# Altium PCB CubeSat Backplane.PcbDoc (part 1 of 4) (continued)
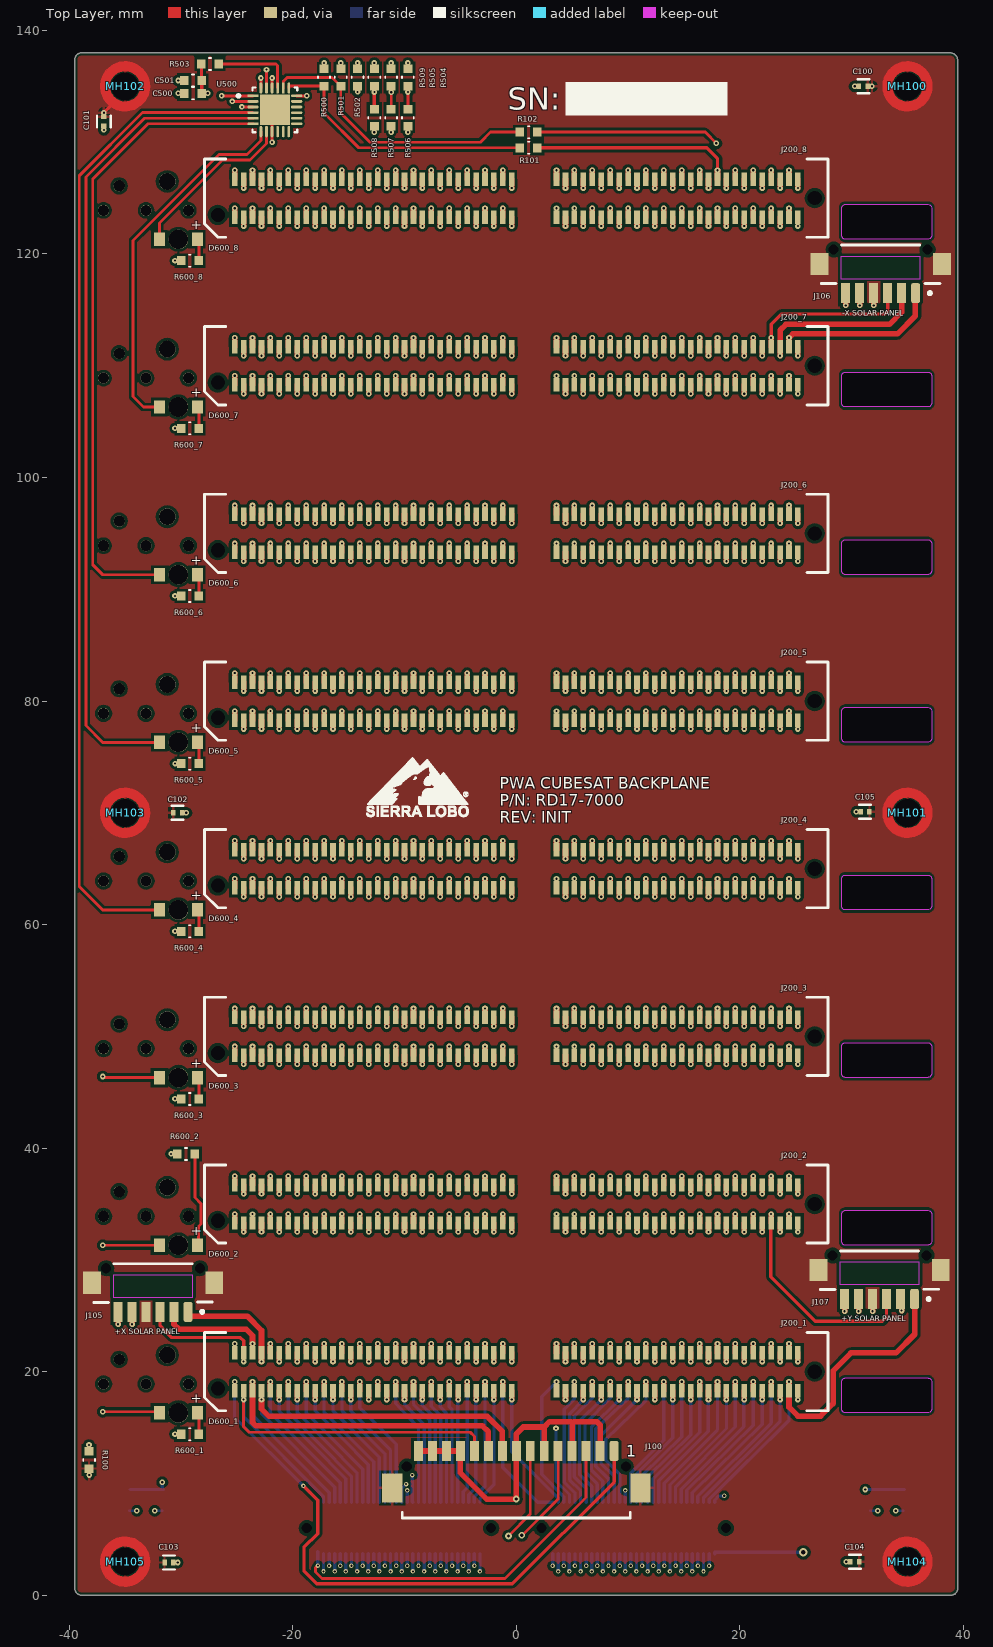
[diagram p0: Top Layer view]
## Part data (continued)
R101 R102 R503 R504 R505 R509: library part RES1, "RES SMD 0 OHM JUMPER 1/10W 0603", Case Code (Imperial)=0603, Case Code (Metric)=1608, Manufacturer 1=Yageo, Manufacturer Part Number 1=RC0603JR-070RL, Max Operating Temperature=155°C, Min Operating Temperature=-55°C, Package Quantity=5000, Power Rating=100mW, Supplier Part Number 1=311-0.0GRCT-ND, Temperature Coefficient=200ppm/°C, Tolerance=1%, Voltage Rating=50V, Case/Package=0603, ComponentLink1Description=https://datasheet.ciiva.com/11808/pyu-r-int-6-11808700.pdf?src-supplier=RSComponents, ComponentLink1URL=https://datasheet.ciiva.com/11808/pyu-r-int-6-11808700.pdf?src-supplier=RSComponents, ComponentLink2Description=https://datasheet.ciiva.com/7746/1738695-7746421.pdf?src-supplier=Element14, ComponentLink2URL=https://datasheet.ciiva.com/7746/1738695-7746421.pdf?src-supplier=Element14, ComponentLink3Description=https://datasheet.ciiva.com/8883/pyu-rc0603-51-rohs-l-4-8883045.pdf?src-supplier=Avnet, ComponentLink3URL=https://datasheet.ciiva.com/8883/pyu-rc0603-51-rohs-l-4-8883045.pdf?src-supplier=Avnet, ComponentLink4Description=https://datasheet.ciiva.com/15189/getdatasheetpartid-329462-15189845.pdf?src-supplier=Verical, ComponentLink4URL=https://datasheet.ciiva.com/15189/getdatasheetpartid-329462-15189845.pdf?src-supplier=Verical, ComponentLink5Description=https://datasheet.ciiva.com/7746/1738695-7746422.pdf?src-supplier=Element14, ComponentLink5URL=https://datasheet.ciiva.com/7746/1738695-7746422.pdf?src-supplier=Element14, ComponentLink6Description=https://datasheet.ciiva.com/12555/rc0603-272842-12555254.pdf?src-supplier=Mouser, ComponentLink6URL=https://datasheet.ciiva.com/12555/rc0603-272842-12555254.pdf?src-supplier=Mouser, ComponentLink7Description=https://datasheet.ciiva.com/22747/443971-22747530.pdf?src-supplier=Element14, ComponentLink7URL=https://datasheet.ciiva.com/22747/443971-22747530.pdf?src-supplier=Element14, Composition="Thick Film", Contact Plating=Tin,Matte, Depth=0.8mm, Height=0.45mm, Lead Free="Lead Free", Length=1.6mm, Military Standard=Not, Number of Pins=2, Packaging="Tape and Reel", Pricing 1="1=0.10000, 10=0.01800, 25=0.01320, 50=0.01000, 100=0.00730, 250=0.00560, 500=0.00448, 1000=0.00329 (USD)", Radiation Hardening=No, REACH SVHC="No SVHC", RoHS=Yes, Stock 1=37679871, Supplier 1=Digi-Key, Termination=SMD/SMT, Voltage Rating (DC)=50V, Width=0.8mm
R500 R501 R502: library part RES1, "RNCP0603FTD10K0", Mfr. P/N=RMCF0603FT4K70, Resistance=4.7k
R506 R507 R508: library part RES1, Mfr. P/N=RNCP0603FTD10K0, Resistance=10k
R600_1 R600_2 R600_3 R600_4 R600_5 R600_6 R600_7 R600_8: library part RES1, "RES SMD 150 OHM 5% 1/10W 0603", Case/Package=0603, Case Code (Metric)=1608, Manufacturer 1=Yageo, Manufacturer Part Number 1=RC0603JR-07150RL, Max Operating Temperature=155°C, Min Operating Temperature=-55°C, Power Rating=100mW, Supplier Part Number 1=311-150GRCT-ND, Temperature Coefficient=100ppm/°C, Tolerance=5%, Voltage Rating=50V, Case Code (Imperial)=0603, ComponentLink1Description=https://datasheet.ciiva.com/2454/pyu-r-int-thick-7-2454513.pdf?src-supplier=Digi-Key, ComponentLink1URL=https://datasheet.ciiva.com/2454/pyu-r-int-thick-7-2454513.pdf?src-supplier=Digi-Key, ComponentLink2Description=https://datasheet.ciiva.com/2454/pyu-r-int-thick-7-2454514.pdf?src-supplier=Digi-Key, ComponentLink2URL=https://datasheet.ciiva.com/2454/pyu-r-int-thick-7-2454514.pdf?src-supplier=Digi-Key, ComponentLink3Description=https://datasheet.ciiva.com/2454/pyu-r-int-thick-7-2454515.pdf?src-supplier=Digi-Key, ComponentLink3URL=https://datasheet.ciiva.com/2454/pyu-r-int-thick-7-2454515.pdf?src-supplier=Digi-Key, ComponentLink4Description=https://datasheet.ciiva.com/46440/1868787-46440895.pdf?src-supplier=Element14, ComponentLink4URL=https://datasheet.ciiva.com/46440/1868787-46440895.pdf?src-supplier=Element14, ComponentLink5Description=https://datasheet.ciiva.com/7746/443971-7746441.pdf?src-supplier=Element14, ComponentLink5URL=https://datasheet.ciiva.com/7746/443971-7746441.pdf?src-supplier=Element14, ComponentLink6Description=https://datasheet.ciiva.com/7746/443971-7746442.pdf?src-supplier=Element14, ComponentLink6URL=https://datasheet.ciiva.com/7746/443971-7746442.pdf?src-supplier=Element14, ComponentLink7Description=https://datasheet.ciiva.com/46395/443971-46395087.pdf?src-supplier=Element14, ComponentLink7URL=https://datasheet.ciiva.com/46395/443971-46395087.pdf?src-supplier=Element14, Composition="Thick Film", Depth=0.8mm, Lead Free="Lead Free", Length=1.6mm, Military Standard=Not, Number of Pins=2, Packaging="Tape and Reel", Pricing 1="1=0.10000, 10=0.01900, 100=0.00770, 1000=0.00347, 2500=0.00301 (USD)", REACH SVHC="No SVHC", RoHS=Yes, Stock 1=2413445, Supplier 1=Digi-Key, Termination=SMD/SMT, Voltage Rating (DC)=50V, Width=0.8mm
S100 S101: library part Tactile_Switch, "SWITCH TACTILE SPST-NO 0.05A 32V", Case/Package=SMD/SMT, Current Rating=50mA, Manufacturer 1="ITT C&K", Manufacturer Part Number 1=KMT031NGJLHS, Max Operating Temperature=85°C, Max Voltage Rating (DC)=32V, Min Operating Temperature=-40°C, Operating Force=3.4N, Package Quantity=1, Power Rating=500mW, Ratings="IP68,Waterproof,Dust Tight", Supplier Part Number 1=KMT031NGJLHS-CUTT, Actuator Type=Standard, ComponentLink1Description=https://datasheet.ciiva.com/2901/kmt-0xx-ngj-lhs-drawing-2901011.pdf?src-supplier=Digi-Key, ComponentLink1URL=https://datasheet.ciiva.com/2901/kmt-0xx-ngj-lhs-drawing-2901011.pdf?src-supplier=Digi-Key, ComponentLink2Description=https://datasheet.ciiva.com/2901/kmt-0xx-ngj-lhs-drawing-2901012.pdf?src-supplier=Digi-Key, ComponentLink2URL=https://datasheet.ciiva.com/2901/kmt-0xx-ngj-lhs-drawing-2901012.pdf?src-supplier=Digi-Key, ComponentLink3Description=https://datasheet.ciiva.com/2901/kmt-0xx-ngj-lhs-drawing-2901013.pdf?src-supplier=Digi-Key, ComponentLink3URL=https://datasheet.ciiva.com/2901/kmt-0xx-ngj-lhs-drawing-2901013.pdf?src-supplier=Digi-Key, ComponentLink4Description=https://datasheet.ciiva.com/22712/1443640-22712103.pdf?src-supplier=Element14, ComponentLink4URL=https://datasheet.ciiva.com/22712/1443640-22712103.pdf?src-supplier=Element14, ComponentLink5Description=https://datasheet.ciiva.com/18145/getdatasheetpartid-320373-18145244.pdf?src-supplier=Verical, ComponentLink5URL=https://datasheet.ciiva.com/18145/getdatasheetpartid-320373-18145244.pdf?src-supplier=Verical, Contact Material=Silver, Contact Plating=Silver, Depth=3.4mm, Illumination Type=Non-Illuminated, Length=2.6mm, Max Current Rating=50mA, Mechanical Life=300000Cycles, Mount="Surface Mount", Orientation=Straight, Packaging="Tape and Reel", Pricing 1="1=0.29500, 250=0.21500, 750=0.19900, 1500=0.19200, 2500=0.18600 (USD)", Radiation Hardening=No, REACH SVHC="No SVHC", RoHS=Yes, Stock 1=20000, Supplier 1="Future Electronics", Switch Function=Off-Mom, Switch Travel=0.15mm, Termination=J-Lead, Throw Configuration=SPST, Voltage Rating (DC)=32V
U500: "IC LED DRIVER PS DIM 25MA 24WQFN"

## Via types
v1: diameter 0.5, hole 0.2, Top Layer to Bottom Layer, tented both sides, 1022 vias
v2: diameter 0.4, hole 0.2, Top Layer to Bottom Layer, tented both sides, 65 vias
v3: diameter 0.6, hole 0.3, Top Layer to Bottom Layer, tented both sides, 3 vias
v4: diameter 0.762, hole 0.406, Top Layer to Bottom Layer, tented both sides, 1 vias

## Nets (pads, with @x,y where several pads share a name; then routed paths per layer and width w, separated by ;. In a path a pad name is that pad's centre, name@x,y a point inside that pad or via, vN(x,y) a via of type N, cw(c..) or ccw(c..) an arc to the next point about the centre after c; other vN are vias at no path point)
5V_USB: C500.1 C501.1 J200_1.70 J200_2.70 J200_3.70 J200_4.70 J200_5.70 J200_6.70 J200_7.70 J200_8.70 J301.10 R500.2 R501.2 R502.2 R503.2 R504.1 R505.1 R509.1 R600_1.2 R600_2.2 R600_3.2 R600_4.2 R600_5.2 R600_6.2 R600_7.2 R600_8.2 | length 145.2
  Top Layer w0.254: v1(-30.883,39.486) -30.878,39.48 -30.355,39.48 R600_2.2@-30.35,39.475 ; v1(-30.533,89.41) -30.528,89.405 -30.006,89.405 R600_6.2@-30,89.399 ; v1(-30.533,104.41) -30.528,104.405 -30.006,104.405 R600_7.2@-30,104.399 ; v1(-30.533,119.41) -30.528,119.405 -30.006,119.405 R600_8.2@-30,119.399 ; v1(-30.533,14.411) -30.528,14.405 -30.005,14.405 R600_1.2@-30,14.4 ; v1(-30.533,44.411) -30.528,44.405 -30.005,44.405 R600_3.2@-30,44.4 ; v1(-30.533,59.411) -30.528,59.405 -30.005,59.405 R600_4.2@-30,59.4 ; v1(-30.528,74.405) -30.005,74.405 R600_5.2@-30,74.4
  Top Layer w0.3: R503.2@-28.172,136.998 -28.162,136.989 -28.162,135.534 C501.1@-28.153,135.525 ; C501.1@-28.08,135.598 C501.1@-28.153,135.525 ; v1(-27.6,134.375) C500.1@-28.153,134.375 C501.1@-28.153,135.525
  Top Layer w0.5: J200_1.70@5.2,21.7 v1@5.2,22.5 ; J200_2.70@5.2,36.7 v1(5.2,37.5) ; J200_3.70@5.2,51.7 v1(5.2,52.5) ; J200_4.70@5.2,66.7 v1(5.2,67.5) ; J200_5.70@5.2,81.7 v1(5.2,82.5) ; J200_6.70@5.2,96.699 v1(5.2,97.499) ; J200_7.70@5.2,111.699 v1(5.2,112.499) ; J200_8.70@5.2,126.699 v1(5.2,127.499)
  H2-ODD w0.3: v1@5.2,22.5 5.2,20.275 6,19.475 6,18.5 5.25,17.75 v2(5.25,2.625)
  H2-ODD w0.5: v1@5.2,22.5 5.2,32.875 6,33.675 6,34.475 5.2,35.275 5.2,47.875 6,48.675 6,49.65 5.2,50.45 5.2,62.875 6,63.675 6,64.65 5.2,65.45 5.2,77.875 6,78.675 6,79.65 5.2,80.45 5.2,92.875 6,93.674 6,94.649 5.2,95.449 5.2,107.874 6,108.674 6,109.475 5.2,110.275 5.2,122.874 6,123.674 6,124.649 5.2,125.449 v1(5.2,127.499)
  Bottom Layer w0.3: v2(5.25,2.625) J301.10@5.25,3.7
  other v1: 5.2,22.5 -17.2,137.1 -15.7,137.1 -14.2,137.1 -12.7,137.1 -11.2,137.1 -9.7,137.1
+X_SOLAR_PWR: J105.1 J200_1.8 J200_2.8 J200_3.8 J200_4.8 J200_5.8 J200_6.8 J200_7.8 J200_8.8 J300.8 | length 149.1
  Top Layer w0.5: J105.1@-29.3,25.325 -29.275,25.35 -29.275,24.975 -24.075,24.975 -22.8,23.7 J200_1.8@-22.8,21.7 v1(-22.8,20.9) ; v1(-22.8,35.9) J200_2.8@-22.8,36.7 ; v1@-22.8,50.9 J200_3.8@-22.8,51.7 ; v1(-22.8,65.9) J200_4.8@-22.8,66.7 ; v1(-22.8,80.9) J200_5.8@-22.8,81.7 ; v1(-22.8,95.899) J200_6.8@-22.8,96.699 ; v1(-22.8,110.899) J200_7.8@-22.8,111.699 ; v1(-22.8,125.899) J200_8.8@-22.8,126.699
  H1-EVEN w0.3: v1(-22.8,20.9) -22.8,18.45 -23.6,17.65 -23.6,17.2 -16.25,9.85 v2(-16.25,2.125)
  H1-EVEN w0.5: v1(-22.8,20.9) -22.8,31.5 -23.6,32.3 -23.6,32.875 -22.8,33.675 -22.8,46.5 -23.6,47.3 -23.6,47.875 -22.8,48.675 -22.8,61.5 -23.6,62.3 -23.6,62.875 -22.8,63.675 -22.8,76.5 -23.6,77.3 -23.6,77.875 -22.8,78.675 ; -22.8,78.775 -22.8,91.499 -23.6,92.299 -23.6,92.874 -22.8,93.675 -22.8,106.499 -23.6,107.299 -23.6,107.874 -22.8,108.675 -22.8,121.499 -23.6,122.299 -23.6,122.874 -22.8,123.675 v1(-22.8,125.899)
  Bottom Layer w0.3: v2(-16.25,2.125) J300.8@-16.25,3.7
  other v1: -22.8,50.9
+X_SOLAR_RTN: J105.2 J200_1.6 J200_2.6 J200_3.6 J200_4.6 J200_5.6 J200_6.6 J200_7.6 J200_8.6 J300.6 | length 149
  Top Layer w0.5: J105.2@-30.625,25.35 -30.625,24.225 -30.2,23.8 -24.175,23.8 -23.6,23.225 v1(-23.6,22.5) ; J105.2@-30.55,25.325 J105.2@-30.525,25.35 ; J200_2.6@-23.6,36.7 v1(-23.6,37.5) ; J200_3.6@-23.6,51.7 v1(-23.6,52.5) ; J200_4.6@-23.6,66.7 v1(-23.6,67.5) ; J200_5.6@-23.6,81.7 v1(-23.6,82.5) ; J200_6.6@-23.6,96.699 v1(-23.6,97.499) ; J200_7.6@-23.6,111.699 v1(-23.6,112.499) ; J200_8.6@-23.6,126.699 v1(-23.6,127.499)
  H2-ODD w0.3: v1@-23.6,22.5 -23.6,20.2 -22.8,19.4 -22.8,18.488 -23.6,17.688 -23.6,16.95 -17.825,11.175 -17.825,3.7 v2(-16.75,2.625)
  H2-ODD w0.5: v1(-23.6,22.5) -23.6,32.875 -22.8,33.675 -22.8,34.475 -23.6,35.275 v1(-23.6,37.5) -23.6,47.875 -22.8,48.675 -22.8,49.475 -23.6,50.276 v1(-23.6,52.5) -23.6,62.875 -22.8,63.675 -22.8,64.475 -23.6,65.275 v1(-23.6,67.5) -23.6,77.875 -22.8,78.675 -22.8,79.476 -23.6,80.275 v1(-23.6,82.5) -23.6,92.874 -22.8,93.674 -22.8,94.475 -23.6,95.275 v1(-23.6,97.499) -23.6,107.874 -22.8,108.674 -22.8,109.475 -23.6,110.275 v1(-23.6,112.499) -23.6,122.874 -22.8,123.674 -22.8,124.649 -23.6,125.449 v1(-23.6,127.499)
  Bottom Layer w0.3: v2(-16.75,2.625) J300.6@-16.75,3.7
+X_SOLAR_TLE: J105.3 J200_1.4 J200_2.4 J200_3.4 J200_4.4 J200_5.4 J200_6.4 J200_7.4 J200_8.4 J300.4 | length 149.4
  Top Layer w0.3: J105.3@-31.875,25.35 -31.875,24.1 -30.825,23.05 -24.7,23.05 -24.4,22.75 J200_1.4@-24.4,21.7
  Top Layer w0.5: v1(-24.4,35.9) J200_2.4@-24.4,36.7 ; v1@-24.4,50.9 J200_3.4@-24.4,51.7 ; v1(-24.4,65.9) J200_4.4@-24.4,66.7 ; v1(-24.4,80.9) J200_5.4@-24.4,81.7 ; v1(-24.4,95.899) J200_6.4@-24.4,96.699 ; v1(-24.4,110.899) J200_7.4@-24.4,111.699 ; v1(-24.4,125.899) J200_8.4@-24.4,126.699
  H1-EVEN w0.3: v1(-24.4,20.9) -24.4,18.5 -25.2,17.7 -25.2,17.3 -17.25,9.35 v2(-17.25,2.125)
  H1-EVEN w0.5: v1(-24.4,20.9) -24.4,31.5 -25.2,32.3 -25.2,32.875 -24.4,33.675 v1(-24.4,35.9) -24.4,46.5 -25.2,47.3 -25.2,47.875 -24.4,48.675 v1(-24.4,50.9) -24.4,61.5 -25.2,62.3 -25.2,62.875 -24.4,63.675 v1(-24.4,65.9) -24.4,76.5 -25.2,77.3 -25.2,77.875 -24.4,78.675 v1(-24.4,80.9) ; v1@-24.4,81 -24.4,91.499 -25.2,92.299 -25.2,92.874 -24.4,93.675 v1(-24.4,95.899) -24.4,106.499 -25.2,107.299 -25.2,107.874 -24.4,108.675 v1(-24.4,110.899) -24.4,121.499 -25.2,122.299 -25.2,122.874 -24.4,123.675 v1(-24.4,125.899)
  Bottom Layer w0.3: v2(-17.25,2.125) J300.4@-17.25,3.7
+Y_SOLAR_PWR: J107.1 J200_1.117 J200_2.117 J200_3.117 J200_4.117 J200_5.117 J200_6.117 J200_7.117 J200_8.117 J301.57 | length 150.8
  Top Layer w0.5: v1(24.4,19.1) J200_1.117@24.4,18.3 24.4,16.825 25.2,16.025 27.225,16.025 28.35,17.15 28.35,20.075 29.95,21.675 33.975,21.675 35.65,23.35 J107.1@35.65,26.5 ; J200_2.117@24.4,33.3 v1(24.4,34.1) ; J200_3.117@24.4,48.3 v1@24.4,49.1 ; J200_4.117@24.4,63.3 v1(24.4,64.1) ; J200_5.117@24.4,78.3 v1(24.4,79.1) ; J200_6.117@24.4,93.299 v1(24.4,94.099) ; J200_7.117@24.4,108.299 v1(24.4,109.099) ; J200_8.117@24.4,123.299 v1(24.4,124.099)
  H1-ODD w0.5: v1(24.4,19.1) 24.4,21.3 25.2,22.1 25.2,31.5 24.4,32.3 24.4,36.3 25.2,37.1 25.2,46.5 24.4,47.3 24.4,51.3 25.2,52.1 25.2,61.5 24.4,62.3 24.4,66.3 25.2,67.1 25.2,76.5 24.4,77.3 24.4,81.3 25.2,82.1 25.2,91.499 24.4,92.299 24.4,96.299 25.2,97.099 25.2,106.499 24.4,107.299 24.4,111.299 25.2,112.099 25.2,121.499 24.4,122.299 v1@24.4,124.099
  Bottom Layer w0.3: J301.57@17.25,8.3 17.25,8.604 24.4,15.654 v1(24.4,19.1)
  other v1: 24.4,49.1
+Y_SOLAR_RTN: J107.2 J200_1.115 J200_2.115 J200_3.115 J200_4.115 J200_5.115 J200_6.115 J200_7.115 J200_8.115 J301.55 | length 147.4
  Top Layer w0.5: v1(23.6,17.5) J200_1.115@23.6,18.3 ; v1(23.6,32.5) J200_2.115@23.6,33.3 ; v1(23.6,47.5) J200_3.115@23.6,48.3 ; v1(23.6,62.5) J200_4.115@23.6,63.3 ; v1(23.6,77.5) J200_5.115@23.6,78.3 ; v1(23.6,92.499) J200_6.115@23.6,93.299 ; v1(23.6,107.499) J200_7.115@23.6,108.299 ; v1(23.6,122.499) J200_8.115@23.6,123.299 ; v1(34.475,25.475) J107.2@34.475,26.5
  H2-EVEN w0.5: v1(23.6,122.499) 23.6,112.099 22.8,111.299 22.8,110.275 23.6,109.475 v1(23.6,107.499) 23.6,97.099 22.8,96.299 22.8,95.275 23.6,94.475 v1(23.6,92.499) 23.6,82.1 22.8,81.3 22.8,80.275 23.6,79.475 v1(23.6,77.5) 23.6,67.1 22.8,66.3 22.8,65.275 23.6,64.475 v1(23.6,62.5) 23.6,52.1 22.8,51.3 22.8,50.275 23.6,49.475 v1(23.6,47.5) 23.6,37.1 22.8,36.3 22.8,35.275 23.6,34.475 v1(23.6,32.5) 23.6,22.1 22.8,21.3 22.8,20.275 23.6,19.475 v1(23.6,17.5) 23.6,17.1 24.675,16.025 27.225,16.025 28.35,17.15 28.35,20.075 29.95,21.675 32.25,21.675 34.475,23.9 v1(34.475,25.475)
  Bottom Layer w0.3: J301.55@16.75,8.3 16.75,8.725 23.6,15.575 v1(23.6,17.5)
+Y_SOLAR_TLE: J107.3 J200_1.113 J200_2.113 J200_3.113 J200_4.113 J200_5.113 J200_6.113 J200_7.113 J200_8.113 J301.53 | length 148.2
  Top Layer w0.3: J200_2.113@22.8,33.3 22.775,33.275 22.775,28.475 26.75,24.5 32.75,24.5 33.125,24.875 J107.3@33.125,26.5
  Top Layer w0.5: J200_1.113@22.8,18.3 v1(22.8,19.1) ; J200_2.113@22.8,33.3 v1(22.8,34.1) ; J200_3.113@22.8,48.3 v1(22.8,49.1) ; J200_4.113@22.8,63.3 v1(22.8,64.1) ; J200_5.113@22.8,78.3 v1(22.8,79.1) ; J200_6.113@22.8,93.299 v1(22.8,94.099) ; J200_7.113@22.8,108.299 v1(22.8,109.099) ; J200_8.113@22.8,123.299 v1(22.8,124.099)
  H1-ODD w0.5: v1(22.8,19.1) 22.8,21.3 23.6,22.1 23.6,31.5 22.8,32.3 v1(22.8,34.1) 22.8,36.3 23.6,37.1 23.6,46.5 22.8,47.3 22.8,51.3 23.6,52.1 23.6,61.5 22.8,62.3 v1(22.8,64.1) 22.8,66.3 23.6,67.1 23.6,76.5 22.8,77.3 v1(22.8,79.1) 22.8,81.3 23.6,82.1 23.6,91.499 22.8,92.299 v1(22.8,94.099) 22.8,96.299 23.6,97.099 23.6,106.499 22.8,107.299 v1(22.8,109.099) 22.8,111.299 23.6,112.099 23.6,121.499 22.8,122.299 v1(22.8,124.099)
  Bottom Layer w0.3: J301.53@16.25,8.3 16.25,8.85 22.8,15.4 v1(22.8,19.1)
-X_SOLAR_PWR: J106.1 J200_1.118 J200_2.118 J200_3.118 J200_4.118 J200_5.118 J200_6.118 J200_7.118 J200_8.118 J301.58 | length 154.8
  Top Layer w0.5: J200_1.118@24.4,21.7 v1@24.4,22.5 ; J200_2.118@24.4,36.7 v1(24.4,37.5) ; J200_3.118@24.4,51.7 v1@24.4,52.5 ; J200_4.118@24.4,66.7 v1(24.4,67.5) ; J200_5.118@24.4,81.7 v1(24.4,82.5) ; J200_6.118@24.4,96.699 v1(24.4,97.499) ; J200_7.118@24.4,111.699 v1(24.4,112.499) 24.751,112.85 34.1,112.85 35.7,114.45 35.7,116.475 J106.1@35.725,116.5 ; J200_8.118@24.4,126.699 v1(24.4,127.499)
  H2-ODD w0.3: v2(17.25,2.625) 17.25,6.825 24.4,13.975 24.4,17.7 25.2,18.5 25.2,19.475 24.4,20.275 v1(24.4,22.5)
  H2-ODD w0.5: v1(24.4,22.5) 24.4,32.875 25.2,33.675 25.2,34.475 24.4,35.275 24.4,47.875 25.2,48.675 25.2,49.5 24.4,50.3 24.4,62.875 25.2,63.675 25.2,64.65 24.4,65.45 24.4,77.875 25.2,78.675 25.2,79.65 24.4,80.45 v1(24.4,82.5) 24.4,92.875 25.2,93.674 25.2,94.649 24.4,95.449 24.4,107.874 25.2,108.674 25.2,109.475 24.4,110.275 24.4,122.874 25.2,123.674 25.2,124.649 24.4,125.449 v1@24.4,127.499
  Bottom Layer w0.3: v2(17.25,2.625) J301.58@17.25,3.7
  other v1: 24.4,52.5
-X_SOLAR_RTN: J106.2 J200_1.116 J200_2.116 J200_3.116 J200_4.116 J200_5.116 J200_6.116 J200_7.116 J200_8.116 J301.56 | length 154.5
  Top Layer w0.5: v1(23.6,20.9) J200_1.116@23.6,21.7 ; v1(23.6,35.9) J200_2.116@23.6,36.7 ; v1@23.6,50.9 J200_3.116@23.6,51.7 ; v1(23.6,65.9) J200_4.116@23.6,66.7 ; v1(23.6,80.9) J200_5.116@23.6,81.7 ; v1(23.6,95.899) J200_6.116@23.6,96.699 ; v1(23.6,110.899) J200_7.116@23.6,111.699 23.6,113.175 24.125,113.7 33.375,113.7 34.475,114.8 J106.2@34.475,116.5 ; v1(23.6,125.899) J200_8.116@23.6,126.699
  H1-EVEN w0.3: v2(16.75,2.125) 16.75,8.902 24.4,16.552 24.4,17.825 23.6,18.625 v1(23.6,20.9)
  H1-EVEN w0.5: v1(23.6,20.9) 23.6,31.5 22.8,32.3 22.8,32.875 23.6,33.675 v1(23.6,35.9) 23.6,46.5 22.8,47.3 22.8,47.875 23.6,48.675 23.6,61.5 22.8,62.3 22.8,62.875 23.6,63.675 v1(23.6,65.9) 23.6,76.5 22.8,77.3 22.8,77.875 23.6,78.675 v1(23.6,80.9) ; v1@23.6,81 23.6,91.499 22.8,92.299 22.8,92.874 23.6,93.675 v1(23.6,95.899) 23.6,106.499 22.8,107.299 22.8,107.874 23.6,108.675 v1(23.6,110.899) 23.6,121.499 22.8,122.299 22.8,122.874 23.6,123.675 v1(23.6,125.899)
  Bottom Layer w0.3: v2(16.75,2.125) J301.56@16.75,3.7
  other v1: 23.6,50.9
-X_SOLAR_TLE: J106.3 J200_1.114 J200_2.114 J200_3.114 J200_4.114 J200_5.114 J200_6.114 J200_7.114 J200_8.114 J301.54 | length 154.1
  Top Layer w0.3: v1(22.8,112.499) 22.8,113.725 23.7,114.625 32.975,114.625 33.225,114.875 J106.3@33.225,116.5
  Top Layer w0.5: J200_1.114@22.8,21.7 v1@22.8,22.5 ; J200_2.114@22.8,36.7 v1(22.8,37.5) ; J200_3.114@22.8,51.7 v1(22.8,52.5) ; J200_4.114@22.8,66.7 v1(22.8,67.5) ; J200_5.114@22.8,81.7 v1(22.8,82.5) ; J200_6.114@22.8,96.699 v1(22.8,97.499) ; J200_7.114@22.8,111.699 v1(22.8,112.499) ; J200_8.114@22.8,126.699 v1(22.8,127.499)
  H2-ODD w0.3: v2(16.25,2.625) 16.25,9.925 22.8,16.475 22.8,17.7 23.6,18.5 23.6,19.475 22.8,20.275 v1(22.8,22.5)
  H2-ODD w0.5: v1(22.8,22.5) 22.8,32.875 23.6,33.675 23.6,34.475 22.8,35.275 v1(22.8,37.5) 22.8,47.875 23.6,48.675 23.6,49.475 22.8,50.275 22.8,62.875 23.6,63.675 23.6,64.65 22.8,65.45 v1(22.8,67.5) 22.8,77.875 23.6,78.675 23.6,79.65 22.8,80.45 v1(22.8,82.5) 22.8,92.875 23.6,93.674 23.6,94.649 22.8,95.449 v1(22.8,97.499) 22.8,107.874 23.6,108.674 23.6,109.475 22.8,110.275 v1(22.8,112.499) 22.8,122.874 23.6,123.674 23.6,124.649 22.8,125.449 v1(22.8,127.499)
  Bottom Layer w0.3: v2(16.25,2.625) J301.54@16.25,3.7
-Z_SOLAR_PWR: J100.9 J200_1.7 J200_2.7 J200_3.7 J200_4.7 J200_5.7 J200_6.7 J200_7.7 J200_8.7 J300.7 | length 152.1
  Top Layer w0.5: v1(-22.8,17.5) -22.8,16.675 -22.125,16 -2.6,16 -1.25,14.65 J100.9@-1.25,12.9 ; v1(-22.8,32.5) J200_2.7@-22.8,33.3 ; v1(-22.8,47.5) J200_3.7@-22.8,48.3 ; v1(-22.8,62.5) J200_4.7@-22.8,63.3 ; v1(-22.8,77.5) J200_5.7@-22.8,78.3 ; v1(-22.8,92.499) J200_6.7@-22.8,93.299 ; v1(-22.8,107.499) J200_7.7@-22.8,108.299 ; v1(-22.8,122.499) J200_8.7@-22.8,123.299
  H2-EVEN w0.5: v1(-22.8,17.5) -22.8,19.475 -23.6,20.275 -23.6,21.3 -22.8,22.1 v1(-22.8,32.5) -22.8,34.475 -23.6,35.275 -23.6,36.3 -22.8,37.1 v1(-22.8,47.5) -22.8,49.475 -23.6,50.275 -23.6,51.3 -22.8,52.1 v1(-22.8,62.5) -22.8,64.475 -23.6,65.275 -23.6,66.3 -22.8,67.1 v1(-22.8,77.5) -22.8,79.475 -23.6,80.275 -23.6,81.3 -22.8,82.1 v1(-22.8,92.499) -22.8,94.475 -23.6,95.275 -23.6,96.299 -22.8,97.099 v1(-22.8,107.499) -22.8,109.475 -23.6,110.275 -23.6,111.299 -22.8,112.099 v1(-22.8,122.499)
  Bottom Layer w0.3: v1(-22.8,17.5) -22.8,16.292 -16.25,9.643 J300.7@-16.25,8.3
-Z_SOLAR_RTN: J100.10 J200_1.5 J200_2.5 J200_3.5 J200_4.5 J200_5.5 J200_6.5 J200_7.5 J200_8.5 J300.5 | length 164.2
  Top Layer w0.5: v1(-23.6,19.1) J200_1.5@-23.6,18.3 -23.6,15.475 -23.275,15.15 -3.025,15.15 -2.5,14.625 J100.10@-2.5,12.9 ; J200_3.5@-23.6,48.3 v1(-23.6,49.1) ; J200_4.5@-23.6,63.3 v1(-23.6,64.1) ; J200_5.5@-23.6,78.3 v1(-23.6,79.1) ; J200_6.5@-23.6,93.299 v1(-23.6,94.099) ; J200_7.5@-23.6,108.299 v1(-23.6,109.099) ; J200_8.5@-23.6,123.299 v1(-23.6,124.099)
  H1-ODD w0.5: v1(-23.6,19.1) -23.6,21.3 -22.8,22.1 -22.8,31.5 -23.6,32.3 -23.6,36.3 -22.8,37.1 -22.8,46.5 -23.6,47.3 -23.6,51.3 -22.8,52.1 -22.8,61.5 -23.6,62.3 -23.6,66.3 -22.8,67.1 ; v1(-23.6,124.099) -23.6,122.299 -22.8,121.499 -22.8,112.099 -23.6,111.299 -23.6,107.299 -22.8,106.499 -22.8,97.099 -23.6,96.299 -23.6,92.299 -22.8,91.499 -22.8,82.1 -23.6,81.3 -23.6,77.3 -22.8,76.5 ; -22.8,67.1 -22.8,76.5 ; -22.8,67.1 -22.8,76.5
  Bottom Layer w0.3: v1(-23.6,19.1) -23.6,16.117 -16.75,9.167 J300.5@-16.75,8.3
  other v1: -23.6,34.1
-Z_SOLAR_TLE: J100.11 J200_1.3 J200_2.3 J200_3.3 J200_4.3 J200_5.3 J200_6.3 J200_7.3 J200_8.3 J300.3 | length 152.1
  Top Layer w0.254: v1(-24.4,17.5) -24.4,15.075 -23.9,14.575 -4.125,14.575 -3.75,14.2 J100.11@-3.75,12.9
  Top Layer w0.5: v1(-24.4,32.5) J200_2.3@-24.4,33.3 ; v1(-24.4,47.5) J200_3.3@-24.4,48.3 ; v1(-24.4,62.5) J200_4.3@-24.4,63.3 ; v1(-24.4,77.5) J200_5.3@-24.4,78.3 ; v1(-24.4,92.499) J200_6.3@-24.4,93.299 ; v1(-24.4,107.499) J200_7.3@-24.4,108.299 ; v1(-24.4,122.499) J200_8.3@-24.4,123.299
  H2-EVEN w0.5: v1(-24.4,17.5) -24.4,19.475 -25.2,20.275 -25.2,21.3 -24.4,22.1 v1(-24.4,32.5) -24.4,34.475 -25.2,35.275 -25.2,36.3 -24.4,37.1 v1(-24.4,47.5) -24.4,49.475 -25.2,50.275 -25.2,51.3 -24.4,52.1 v1(-24.4,62.5) -24.4,64.475 -25.2,65.275 -25.2,66.3 -24.4,67.1 v1(-24.4,77.5) -24.4,79.475 -25.2,80.275 -25.2,81.3 -24.4,82.1 v1(-24.4,92.499) -24.4,94.475 -25.2,95.275 -25.2,96.299 -24.4,97.099 v1(-24.4,107.499) -24.4,109.475 -25.2,110.275 -25.2,111.299 -24.4,112.099 v1(-24.4,122.499)
  Bottom Layer w0.3: v1(-24.4,17.5) -24.394,17.494 -24.394,15.969 -17.25,8.825 J300.3@-17.25,8.3
A0: R504.2 R506.2 U500.22 | length 15.6
  Top Layer w0.254: U500.22@-21.85,134.851 v1(-21.85,135.75) ; R506.2@-9.7,132.966 -9.7,133.172 v1(-9.7,134.49) R504.2@-9.7,135.028
  H1-EVEN w0.254: v1(-21.85,135.75) -10.96,135.75 v1(-9.7,134.49)
A1: R505.2 R507.2 U500.23 | length 15.8
  Top Layer w0.254: U500.23@-22.35,134.851 v1(-22.35,136.5) ; R507.2@-11.2,132.966 -11.183,132.984 R507.2@-11.183,133.189 ; R507.2@-11.2,133.172 R507.2@-11.183,133.189 ; R505.2@-11.2,135.028 -11.183,135.011 v1(-11.183,134.472) R507.2@-11.183,133.189
  H1-ODD w0.254: v1(-22.35,136.5) -13.211,136.5 v1(-11.183,134.472)
A2: R508.2 R509.2 U500.24 | length 13.7
  Top Layer w0.254: U500.24@-22.85,134.851 v1(-22.85,135.75)
  Top Layer w0.3: R508.2@-12.7,132.966 -12.693,132.973 R508.2@-12.693,133.179 ; R508.2@-12.7,133.172 R508.2@-12.693,133.179 ; R509.2@-12.7,135.028 -12.693,135.021 v1(-12.693,134.487) R508.2@-12.693,133.179
  H1-EVEN w0.254: v1(-22.85,135.75) -22.2,135.1 -13.306,135.1 v1(-12.693,134.487)
AGND_1: J200_1.71 J200_2.71 J200_3.71 J200_4.71 J200_5.71 J200_6.71 J200_7.71 J200_8.71 J301.11 | length 126.1
  Top Layer w0.5: v1(6,17.5) J200_1.71@6,18.3 ; v1(6,32.5) J200_2.71@6,33.3 ; v1(6,47.5) J200_3.71@6,48.3 ; v1(6,62.5) J200_4.71@6,63.3 ; v1(6,77.5) J200_5.71@6,78.3 ; v1(6,92.499) J200_6.71@6,93.299 ; v1(6,107.499) J200_7.71@6,108.299 ; v1(6,122.499) J200_8.71@6,123.299
  H2-EVEN w0.5: v1(6,17.5) 6,19.475 5.2,20.275 5.2,21.3 6,22.1 6,32.5 6,34.475 5.2,35.275 5.2,36.3 6,37.1 v1(6,47.5) 6,49.475 5.2,50.275 5.2,51.3 6,52.1 6,62.5 6,64.475 5.2,65.275 5.2,66.3 6,67.1 6,77.5 6,79.475 5.2,80.275 5.2,81.3 6,82.1 v1(6,92.499) 6,94.475 5.2,95.275 5.2,96.299 6,97.099 v1(6,107.499) 6,109.475 5.2,110.275 5.2,111.299 6,112.099 v1(6,122.499)
  Bottom Layer w0.3: J301.11@5.75,8.3 5.75,9.325 4.775,10.3 4.775,16.249 6,17.474 v1(6,17.5)